# Altium PCB UD3.1-Zogger-Laptop.PcbDoc (part 1 of 2) (continued)
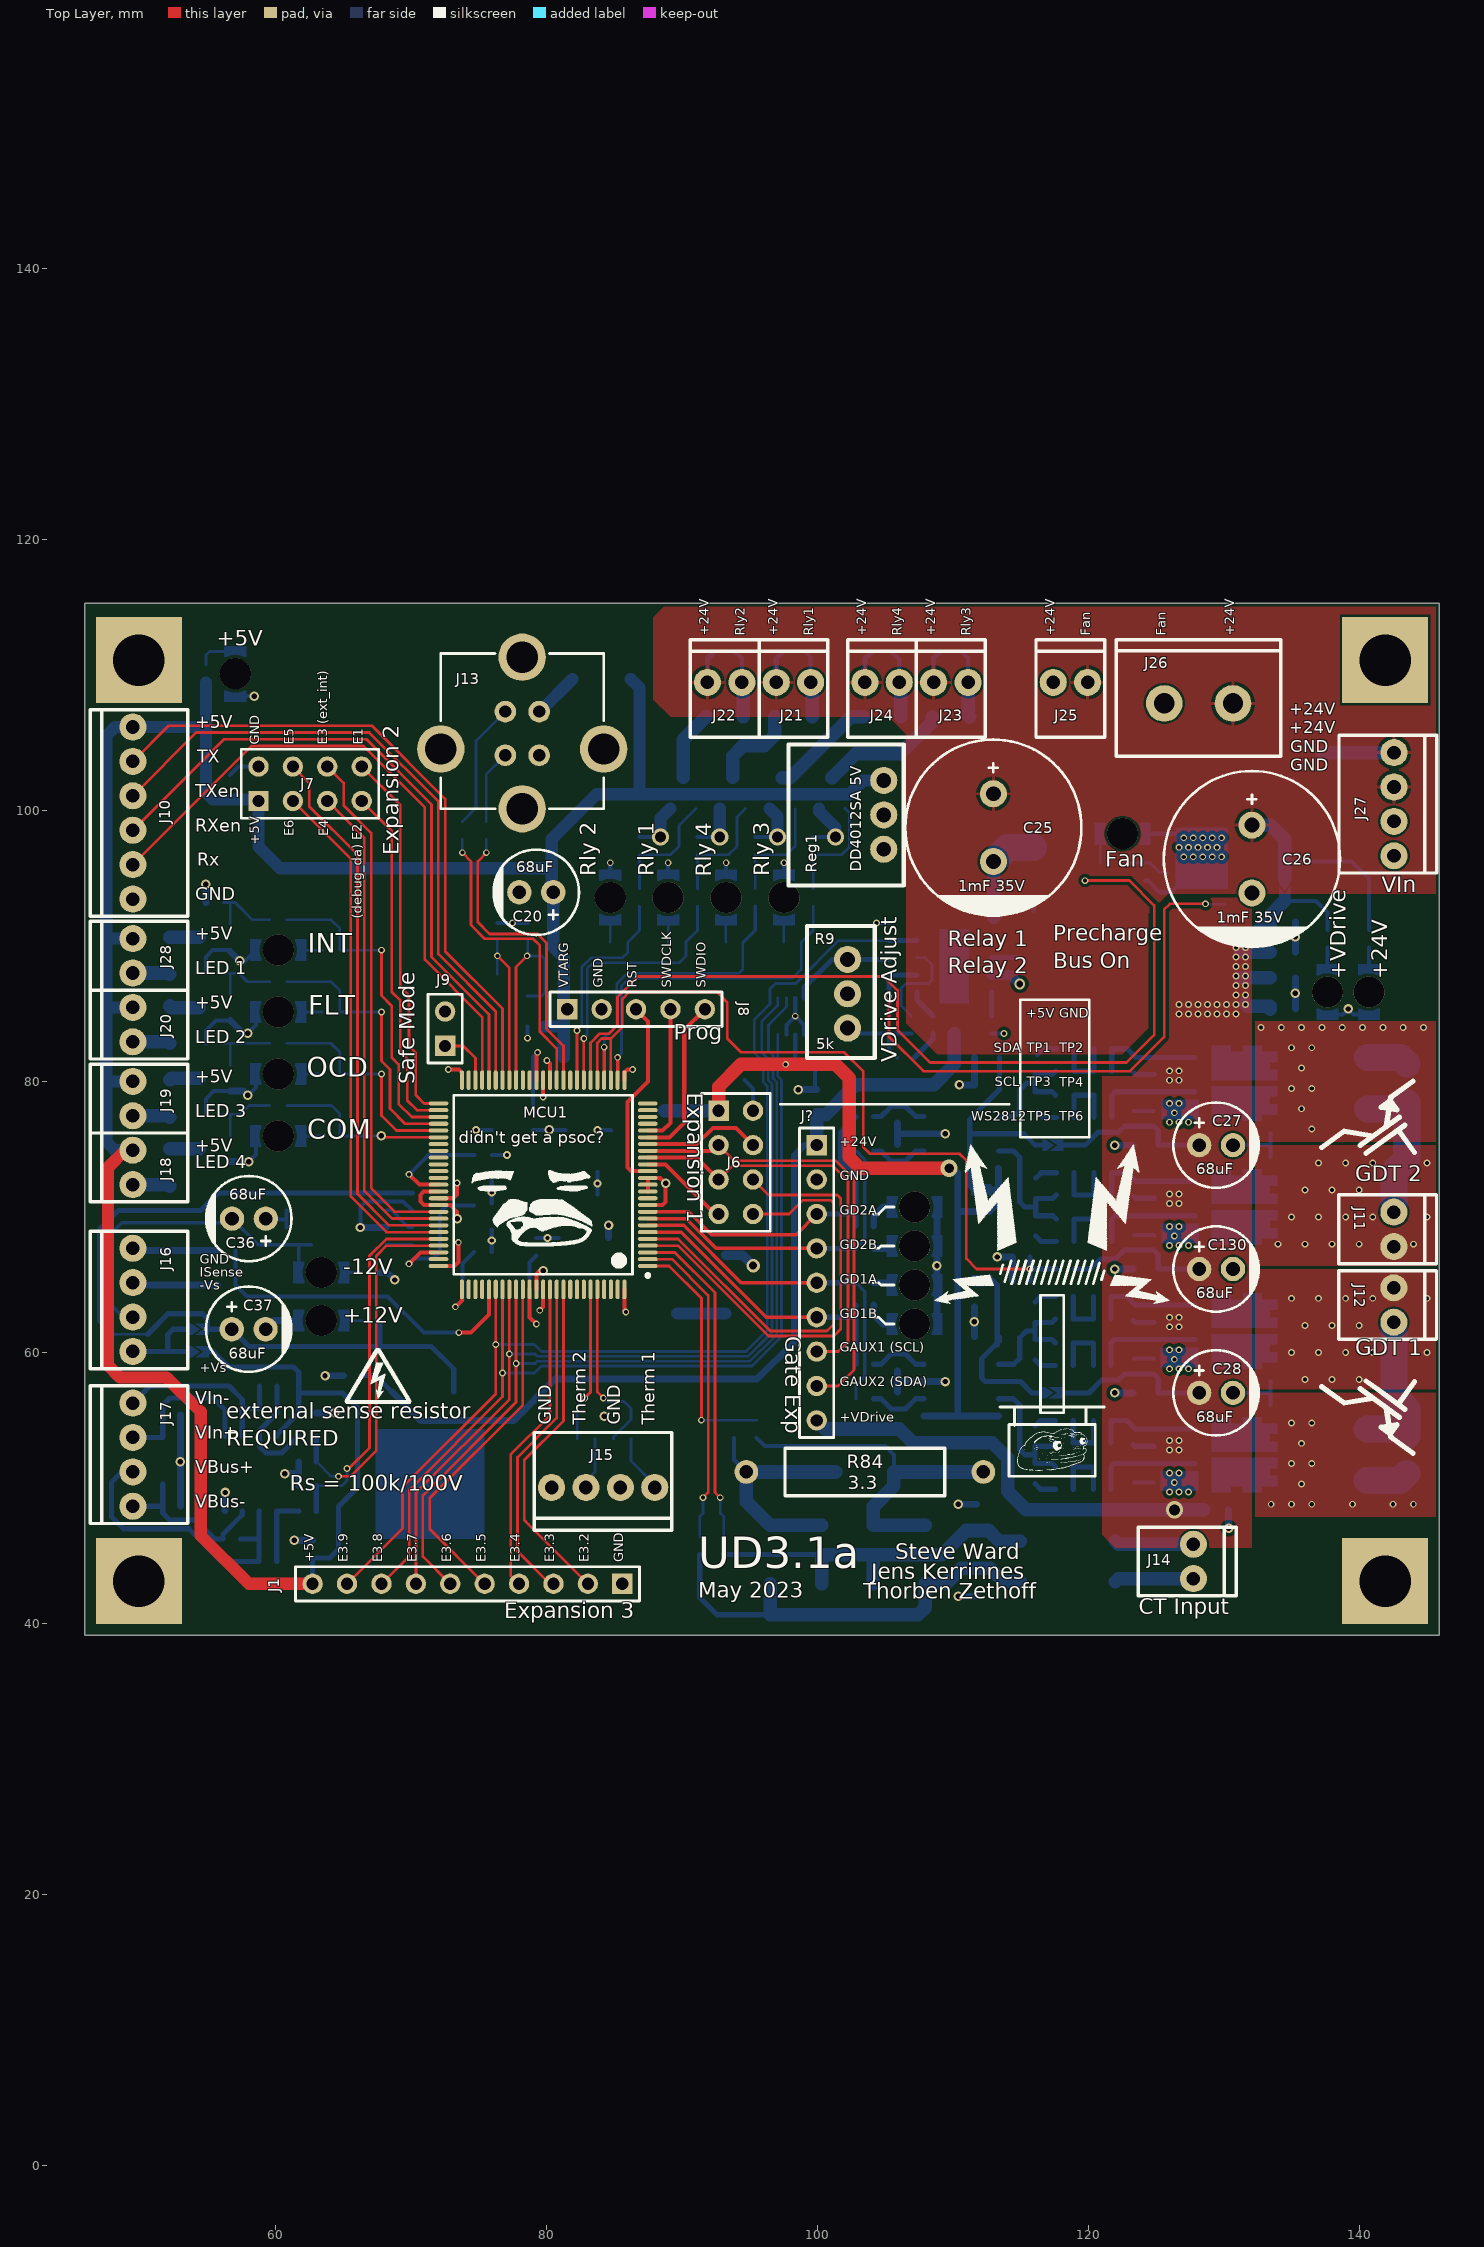
[diagram p0: Top Layer view]
## Components (designator, comment, footprint, x,y, rotation, side; value= is the part's Value field where it differs from the comment) (continued)
R125 "1k" 0603 86.868,93.599 r90 bottom
R126 "10k" 0603 55.506,77.597 r0 bottom
R127 "1k" 0603 60.198,78.232 r180 bottom
R128 "8.2k" 0603 64.093,75.994 r180 bottom
R129 "22 0.5W" 1206 98.235,106.934 r0 bottom
R130 "22 0.5W" 1206 93.155,106.934 r0 bottom
R131 "8.2k" 0603 103.505,67.691 r0 bottom
R132 "8.2k" 0603 103.505,69.342 r0 bottom
R133 "1k" 0603 123.365,69.342 r90 bottom
R134 "1k" 0603 123.365,78.486 r90 bottom
R135 "10k" 0603 121.079,68.199 r0 bottom
R136 "10" 0603 118.285,68.199 r0 bottom
R137 "10k" 0603 105.918,77.594 r90 bottom
R138 "10k" 0603 105.918,74.704 r270 bottom
R139 "10" 0603 118.285,77.343 r0 bottom
R140 "10k" 0603 121.079,78.994 r0 bottom
R141 "100" 0603 118.285,78.994 r0 bottom
R142 "100" 0603 118.285,69.85 r0 bottom
R143 "1k" 0603 103.505,77.419 r0 bottom
R144 "1k" 0603 103.505,74.879 r0 bottom
R145 "15" 1210 143.51,79.883 r270 bottom
R146 "100" 0603 118.285,80.772 r0 bottom
R147 "100" 0603 118.285,71.628 r0 bottom
R148 "10" 0603 118.285,82.423 r0 bottom
R149 "10k" 0603 121.079,80.772 r0 bottom
R150 "10k" 0603 121.079,73.279 r0 bottom
R151 "10" 0603 118.285,73.279 r0 bottom
R152 "1k" 0603 123.365,72.151 r270 bottom
R153 "1k" 0603 123.365,81.28 r270 bottom
R154 "1k" 0603 115.047,67.056 r180 bottom
R155 "10k" 0603 118.285,66.167 r180 bottom
R156 "8.2k" 0603 103.505,63.5 r0 bottom
R157 "8.2k" 0603 103.505,65.151 r0 bottom
R158 "1k" 0603 123.317,60.183 r90 bottom
R159 "1k" 0603 123.317,51.054 r90 bottom
R160 "10k" 0603 121.031,59.055 r0 bottom
R161 "10" 0603 118.237,59.055 r0 bottom
R162 "10k" 0603 105.918,59.309 r90 bottom
R163 "10k" 0603 105.918,56.487 r270 bottom
R164 "10" 0603 118.237,49.911 r0 bottom
R165 "10k" 0603 121.031,51.562 r0 bottom
R166 "100" 0603 118.237,51.562 r0 bottom
R167 "100" 0603 118.237,60.706 r0 bottom
R168 "1k" 0603 103.505,59.131 r0 bottom
R169 "1k" 0603 103.505,56.591 r0 bottom
R170 "15" 1210 143.51,52.451 r90 bottom
R171 "100" 0603 118.237,53.34 r0 bottom
R172 "100" 0603 118.237,62.484 r0 bottom
R173 "10" 0603 118.237,54.991 r0 bottom
R174 "10k" 0603 121.031,54.991 r0 bottom
R175 "10k" 0603 121.031,62.484 r0 bottom
R176 "10" 0603 118.237,64.135 r0 bottom
R177 "1k" 0603 123.317,63.007 r270 bottom
R178 "1k" 0603 123.317,53.863 r270 bottom
Reg1 "DD4012SA 5V" "TO220 Retrofit DC-DC" 104.902,99.695 r90 top locked
Reg2 "AOZ1284" "SOIC8 EXPOSED" 110.11,88.519 r180 bottom
Reg3 "LM7812" "TO252 DPAk" 70.866,52.959 r270 bottom
U1 "TC7660S" SOIC8 65.405,69.867 r180 bottom
X1 "16MHz" "ECS-3225MV Oscillator" 77.47,87.122 r180 bottom

## Footprints (in the part's own frame and the unit in brackets; to place one, negate y for a bottom-side part, rotate by r counter-clockwise, add the part's x,y. Pads: shape width x height; smd on the part's side, far side on the other; paste and mask are expansions set on the pad)
"2 KK254 / KF2510" [mm]
  round 2 hole 1: 1(0,0) 2(2.54,0)
  silkscreen extent -1.27,-4.06 3.81,3.15, body extent -1.27,-3.28 3.81,2.52, height 11.29
"2 screw terminal vertical" [mm]
  round 2.7 hole 1.5: 1(-2.54,0) 2(2.54,0)
  silkscreen extent -6.08,-3.9 6.08,4.7, body extent -6.08,-3.89 6.08,4.68, height 12.1
"4 KK254 / KF2510" [mm]
  round 2 hole 1: 1(-3.81,0) 2(-1.27,0) 3(1.27,0) 4(3.81,0)
  silkscreen extent -5.08,-4.06 5.08,3.15, body extent -5.08,-3.3 5.08,2.5, height 11.44
"6 KK254 / KF2510" [mm]
  round 2 hole 1: 1(-6.35,0) 2(-3.81,0) 3(-1.27,0) 4(1.27,0) 5(3.81,0) 6(6.35,0)
  silkscreen extent -7.62,-4.06 7.62,3.15, body extent -7.62,-3.17 7.62,2.62, height 11.31
"0411 THT 2W" [mm]
  round 1.75 hole 1: 1(0,8.75) 2(0,-8.75)
  silkscreen extent -1.74,-5.89 1.75,5.89, body extent -1.74,-9.1 1.75,9.1, height 3.74
0603 [mm] "Chip Resistor, 2-Leads, Body 1.55x0.85mm, IPC Medium Density"
  rect 0.7x0.95 smd: 1(-0.65,0) 2(0.65,0)
  silkscreen extent -0.2,-0.48 0.2,0.48, body extent -0.8,-0.48 0.8,0.48, height 0.55
0805 [mm] "Chip Resistor, 2-Leads, Body 2.00x1.25mm, IPC Medium Density"
  rect 0.95x1.4 smd: 1(-0.925,0) 2(0.925,0)
  silkscreen extent -0.05,-0.6 0.05,0.6, body extent -1.05,-0.7 1.05,0.7, height 0.55
1206 [mm] "Chip Resistor, 2-Leads, Body 3.15x1.60mm, IPC Medium Density"
  rect 1.25x1.75 smd: 1(-1.375,0) 2(1.375,0)
  silkscreen extent -0.35,-0.77 0.35,0.77, body extent -1.65,-0.87 1.65,0.87, height 0.65
"1206 Reverse Mount" [mm] "SMD Mono-color Reverse mount LED, body 3.2x1.2mm"
  rect 0.4x1.6 smd paste-403.566 mask-403.566: 1(-1.65,0) 2(1.65,0)
  round 2.3 hole 2.3 unplated: MH1(0,0)
  Top Layer region: -2.05,-0.8 -2.05,0.8 -1.25,0.8 -1.25,0.631 -1.4,0 -1.25,-0.631 -1.25,-0.631 -1.25,-0.8
  Top Layer region: 2.05,-0.8 2.05,0.8 1.25,0.8 1.25,0.631 1.4,0 1.25,-0.631 1.25,-0.631 1.25,-0.8
  body extent -1.6,-0.8 1.6,0.8, height 0.4
1210 [mm] "Chip Resistor, 2-Leads, Body 3.20x2.50mm, IPC Medium Density"
  rect 1.25x2.75 smd: 1(-1.425,0) 2(1.425,0)
  silkscreen extent -0.4,-1.27 0.4,1.28, body extent -1.7,-1.38 1.7,1.38, height 1.8
DO-214 [mm] "Molded Diode, 2-Leads, Body 4.38x2.73mm, IPC Medium Density"
  rect 2.45x1.75 smd: 1(-2.15,0) 2(2.15,0)
  silkscreen extent -3.17,-1.5 2.4,1.5, body extent -2.6,-1.48 2.6,1.48, height 2.2
"ECS-3225MV Oscillator" [mm] "SON, 4-Leads, Body 2,50x3,20mm, Pitch 1,60mm, Thermal Pad 0,00x0,00mm, IPC Low Density"
  rect 1.4x1.2 smd: 1(-1.1,0.8) 2(-1.1,-0.8) 3(1.1,-0.8) 4(1.1,0.8)
  silkscreen extent -2.06,1.56 -1.96,1.66, body extent -1.65,-1.3 1.65,1.3, height 1.2
"Elko 6,3 x 11 x 2,5" [mm]
  round 1.8 hole 1: 1(-1.25,0) 2(1.25,0)
  silkscreen extent -3.15,-3.15 3.15,3.15, body extent -3.15,-3.13 3.14,3.16, height 11.02
"Elko 13 x 25 x 5" [mm]
  round 2 hole 1.1: 1(-2.5,0) 2(2.5,0)
  silkscreen extent -6.5,-6.5 6.5,6.5, body extent -6.5,-6.5 6.49,6.5, height 24.89
HDR1X2 [mm] "Connector; Header; 2 Position"
  rect 1.5x1.5 hole 0.9: 1(0,0)
  round 1.5 hole 0.9: 2(2.54,0)
  silkscreen extent -1.27,-1.27 3.81,1.27
HDR1X5 [mm] "Connector; Header; 5 Position"
  rect 1.5x1.5 hole 0.9: 1(0,0)
  round 1.5 hole 0.9: 2(2.54,0) 3(5.08,0) 4(7.62,0) 5(10.16,0)
  silkscreen extent -1.27,-1.27 11.43,1.27
HDR1X9 [mm] "Connector; Header; 9 Position"
  rect 1.5x1.5 hole 0.9: 1(0,0)
  round 1.5 hole 0.9: 2(2.54,0) 3(5.08,0) 4(7.62,0) 5(10.16,0) 6(12.7,0) 7(15.24,0) 8(17.78,0) 9(20.32,0)
  silkscreen extent -1.27,-1.27 21.59,1.27
HDR1X10 [mm] "Connector; Header; 10 Position"
  rect 1.5x1.5 hole 0.9: 1(0,0)
  round 1.5 hole 0.9: 2(2.54,0) 3(5.08,0) 4(7.62,0) 5(10.16,0) 6(12.7,0) 7(15.24,0) 8(17.78,0) 9(20.32,0) 10(22.86,0)
  silkscreen extent -1.27,-1.27 24.13,1.27
HDR2X4 [mm] "Connector; Header; 4x2 Position"
  rect 1.5x1.5 hole 0.9: 1(0,0)
  round 1.5 hole 0.9: 2(0,2.54) 3(2.54,0) 4(2.54,2.54) 5(5.08,0) 6(5.08,2.54) 7(7.62,0) 8(7.62,2.54)
  silkscreen extent -1.27,-1.27 8.89,3.81
"Inductor 11x11mm" [mm] "11x11mm power inductor, compatible with different manufacturer packages"
  rrect50% 4.3x4.8 smd: 1(-4.7,0) 2(4.7,0)
  silkscreen extent -5.85,-5.5 5.85,5.5, body extent -5.45,-5 5.45,5, height 5.4
"PCB Jumper NO" [mil] "Normally open pcb jumper"
  round 1 smd mask+0: 1(23,0) 2(-24,0)
  Top Layer region: -27.75,-16 -27.75,16 12,16 -12,0 10,-16
  Top Layer region: 21,-16 -1,0 23,16 31,16 31,-16
"SO-8FL - Dual" [mm]
  oval 0.6x1.5 smd: 1(-1.905,-2.715) 2(-0.635,-2.715) 3(0.635,-2.715) 4(1.905,-2.715)
  round 0.025 smd paste-0.4: 5/6(0.635,2.523) 7/8(-0.635,2.523)
  Top Layer region: -2.775,-1.465 -2.775,-0.065 -2.31,-0.065 -2.31,0.835 -2.775,0.83 -2.775,2.235 -2.31,2.235 -2.31,3.375 -1.56,3.375 -1.56,2.815 -0.98,2.815 -0.98,3.375 -0.23,3.375 -0.23,-1.465
  Top Layer region: 2.775,-1.465 2.775,-0.065 2.31,-0.065 2.31,0.835 2.775,0.83 2.775,2.235 2.31,2.235 2.31,3.375 1.56,3.375 1.56,2.815 0.98,2.815 0.98,3.375 0.23,3.375 0.23,-1.465
  silkscreen extent -2.51,-3.48 2.51,3.4, body extent -2.58,-3.07 2.57,3.08, height 1.1
SOD523 [mm] "SODFL, 2-Leads, Body 0.80x1.60mm, IPC Medium Density"
  rect 0.6x0.5 smd: 1(-0.75,0) 2(0.75,0)
  silkscreen extent -1,0.5 -0.9,0.6, body extent -0.8,-0.43 0.8,0.43, height 0.7
soic8 [mm] "SOIC, 8-Leads, Body 4.90x3.90mm, Pitch 1.27mm, IPC Medium Density"
  oval 1.5x0.6 smd: 1(-2.75,1.905) 2(-2.75,0.635) 3(-2.75,-0.635) 4(-2.75,-1.905) 5(2.75,-1.905) 6(2.75,-0.635) 7(2.75,0.635) 8(2.75,1.905)
  silkscreen extent -2.87,-2.5 1.6,2.88, body extent -3,-2.5 3,2.5, height 1.75
SOIC8 [mm] "SOIC, 8-Leads, Body 4.90x3.90mm, Pitch 1.27mm, IPC Medium Density"
  oval 1.5x0.6 smd: 1(-2.75,1.905) 2(-2.75,0.635) 3(-2.75,-0.635) 4(-2.75,-1.905) 5(2.75,-1.905) 6(2.75,-0.635) 7(2.75,0.635) 8(2.75,1.905)
  silkscreen extent -2.87,-2.5 1.6,2.88, body extent -3,-2.5 3,2.5, height 1.75
"SOIC8 EXPOSED" [mm] "SOIC, 8-Leads, Body 4.90x3.90mm, Pitch 1.27mm, IPC Medium Density"
  oval 1.5x0.6 smd: 1(-2.75,1.905) 2(-2.75,0.635) 3(-2.75,-0.635) 4(-2.75,-1.905) 5(2.75,-1.905) 6(2.75,-0.635) 7(2.75,0.635) 8(2.75,1.905)
  rect 2.71x3.7 smd paste-0.5: EP(0,0)
  silkscreen extent -2.88,-2.5 1.6,2.88, body extent -3,-2.5 3,2.5, height 1.75
"SON127P600 4 POS (8.50mm x 5.60mm)" [mm] "SON, 4-Leads, Body 5.60x8.50mm, Pitch 3.00mm, IPC High Density, Würth Choke"
  rect 4x2 smd: 1(-3.5,1.5) 2(-3.5,-1.5) 3(3.5,-1.5) 4(3.5,1.5)
  silkscreen extent -5.05,-3.15 4.6,3.2, body extent -4.45,-3 4.45,3, height 3.2
"sot 23" [mm] "SOT23, 3-Leads, Body 2.90x2.30mm, Pitch 0.95mm, IPC Medium Density"
  rect 0.9x0.6 smd: 1(-1.15,0.95) 2(-1.15,-0.95) 3(1.15,0)
  silkscreen extent -1.28,-1.5 0.7,1.92, body extent -1.3,-1.5 1.3,1.5, height 1.1
"Sot 23-8" [mm] "TSOP, 8-Leads, Body 2.90x1.60mm, Pitch 0.65mm, IPC Medium Density"
  oval 1.22x0.4 smd: 1(-1.35,0.975) 2(-1.35,0.325) 3(-1.35,-0.325) 4(-1.35,-0.975) 5(1.35,-0.975) 6(1.35,-0.325) 7(1.35,0.325) 8(1.35,0.975)
  silkscreen extent -1.47,-1.5 0.45,1.85, body extent -1.4,-1.5 1.4,1.5, height 1.45
"TO220 Retrofit DC-DC" [mm]
  round 2 hole 1.1: 1(-2.54,0) 2(0,0) 3(2.54,0)
  silkscreen extent -5.2,-1.47 5.2,7.02, body extent -5.2,-0.38 5.2,7.02, height 19
"TO252 DPAk" [mm] "D-PAK, 3-Pads, Body 6.21x6.72mm (max), IPC Medium Density"
  rect 2.95x1.2 smd: 1(-4.15,2.29) 3(-4.15,-2.29)
  rect 6.7x5.65 smd: 2(2.3,0)
  silkscreen extent -4.27,-3.35 -1.45,3.56, body extent -4.34,-3.35 5.6,3.35, height 2.4
"TQFP 100" [mm] "TSQFP, 100-Leads, Body 14.00x14.00mm, Pitch 0.50mm, IPC Medium Density"
  oval 1.45x0.3 smd: 1(-7.725,6) 2(-7.725,5.5) 3(-7.725,5) 4(-7.725,4.5) 5(-7.725,4) 6(-7.725,3.5) 7(-7.725,3) 8(-7.725,2.5) 9(-7.725,2) 10(-7.725,1.5) 11(-7.725,1) 12(-7.725,0.5) 13(-7.725,0) 14(-7.725,-0.5) 15(-7.725,-1) 16(-7.725,-1.5) 17(-7.725,-2) 18(-7.725,-2.5) 19(-7.725,-3) 20(-7.725,-3.5) 21(-7.725,-4) 22(-7.725,-4.5) 23(-7.725,-5) 24(-7.725,-5.5) 25(-7.725,-6) 51(7.725,-6) 52(7.725,-5.5) 53(7.725,-5) 54(7.725,-4.5) 55(7.725,-4) 56(7.725,-3.5) 57(7.725,-3) 58(7.725,-2.5) 59(7.725,-2) 60(7.725,-1.5) 61(7.725,-1) 62(7.725,-0.5) 63(7.725,0) 64(7.725,0.5) 65(7.725,1) 66(7.725,1.5) 67(7.725,2) 68(7.725,2.5) 69(7.725,3) 70(7.725,3.5) 71(7.725,4) 72(7.725,4.5) 73(7.725,5) 74(7.725,5.5) 75(7.725,6)
  oval 0.3x1.45 smd: 26(-6,-7.725) 27(-5.5,-7.725) 28(-5,-7.725) 29(-4.5,-7.725) 30(-4,-7.725) 31(-3.5,-7.725) 32(-3,-7.725) 33(-2.5,-7.725) 34(-2,-7.725) 35(-1.5,-7.725) 36(-1,-7.725) 37(-0.5,-7.725) 38(0,-7.725) 39(0.5,-7.725) 40(1,-7.725) 41(1.5,-7.725) 42(2,-7.725) 43(2.5,-7.725) 44(3,-7.725) 45(3.5,-7.725) 46(4,-7.725) 47(4.5,-7.725) 48(5,-7.725) 49(5.5,-7.725) 50(6,-7.725) 76(6,7.725) 77(5.5,7.725) 78(5,7.725) 79(4.5,7.725) 80(4,7.725) 81(3.5,7.725) 82(3,7.725) 83(2.5,7.725) 84(2,7.725) 85(1.5,7.725) 86(1,7.725) 87(0.5,7.725) 88(0,7.725) 89(-0.5,7.725) 90(-1,7.725) 91(-1.5,7.725) 92(-2,7.725) 93(-2.5,7.725) 94(-3,7.725) 95(-3.5,7.725) 96(-4,7.725) 97(-4.5,7.725) 98(-5,7.725) 99(-5.5,7.725) 100(-6,7.725)
  silkscreen extent -7.85,-6.6 6.6,6.82, body extent -8,-8 8,8, height 1.6
"Trimmer vert" [mm]
  round 2 hole 1.1: 1(-2.54,0) 2(2.54,0) 3(0,0)
  silkscreen extent -5,-3 4.75,2, body extent -4.86,-3 4.74,2, height 11.6
"USB 2.0 Type B Vertical" [mm]
  round 1.6 hole 0.9: 1(1.25,3.22) 2(-1.25,3.22) 3(-1.25,0) 4(1.25,0)
  round 3.5 hole 2.3: 5(-6.015,0.46) 5(0,-3.95) 5(0,7.24) 5(6.015,0.46)
  silkscreen extent -6.01,-3.95 6.01,7.51, body extent -7.57,-4.08 7.57,7.38, height 15.74

## Part data
C1 C2 C3 C4 C5 C6 C7 C8 C9 C10 C11 C12 C13 C14 C15 C16 C17 C18 C19 C21 C22 C23 C24 C31 C32 C33 C34 C35 C38 C39 C40 C78 C79 C80 C81 C82 C83 C84 C85 C86 C87 C88 C89 C90 C91 C92 C93 C94 C95 C96 C97 C98 C99 C100 C102 C107 C110 C111 C112 C113 C114 C115 C116 C118 C123 C126 C127 C128 C129: library part Cap
C20 C25 C26 C27 C28 C36 C37 C130: library part "Cap Polar", Supplier Part Number 1=478-9181-1-ND, Supplier 1=Digi-Key, Supplier 2=Digi-Key, Supplier 3=Digi-Key, Supplier 4=Digi-Key, Supplier 5=Digi-Key, Supplier 6=Digi-Key, Supplier 7=Digi-Key, Supplier 8=Digi-Key, Supplier Part Number 2=478-9173-1-ND, Supplier Part Number 3=493-11037-ND, Supplier Part Number 4=PCE3462CT-ND, Supplier Part Number 5=399-18864-1-ND, Supplier Part Number 6=399-10512-1-ND, Supplier Part Number 7=399-15746-ND, Supplier Part Number 8=1189-3752-1-ND
C101 C103 C104 C105 C108 C109 C117 C119 C120 C121 C124 C125: library part Cap, Supplier Part Number 1=1276-2044-1-ND, Supplier Part Number 10=1276-CL10B104KB8NNNLCT-ND, Supplier Part Number 11=399-1085-1-ND, Supplier Part Number 12=1276-1021-1-ND, Supplier Part Number 13=587-2985-1-ND, Supplier Part Number 14=490-14603-1-ND, Supplier Part Number 15=311-3700-1-ND, Supplier Part Number 16=311-1042-1-ND, Supplier Part Number 17=311-1415-1-ND, Supplier Part Number 18=1276-1907-1-ND, Supplier Part Number 19=587-4321-1-ND, Supplier 1=Digi-Key, Supplier 2=Digi-Key, Supplier 3=Digi-Key, Supplier 4=Digi-Key, Supplier 5=Digi-Key, Supplier 6=Digi-Key, Supplier 7=Digi-Key, Supplier 8=Digi-Key, Supplier 9=Digi-Key, Supplier 10=Digi-Key, Supplier 11=Digi-Key, Supplier 12=Digi-Key, Supplier 13=Digi-Key, Supplier 14=Digi-Key, Supplier 15=Digi-Key, Supplier 16=Digi-Key, Supplier 17=Digi-Key, Supplier 18=Digi-Key, Supplier 19=Digi-Key, Supplier 20=Digi-Key, Supplier 21=Digi-Key, Supplier 22=Digi-Key, Supplier Part Number 2=1276-1018-1-ND, Supplier Part Number 3=1276-1182-1-ND, Supplier Part Number 4=1276-1009-1-ND, Supplier Part Number 5=1276-1098-1-ND, Supplier Part Number 6=1276-1119-1-ND, Supplier Part Number 7=490-12737-1-ND, Supplier Part Number 8=1276-1183-1-ND, Supplier Part Number 9=587-1249-1-ND, Supplier Part Number 20=1276-6767-1-ND, Supplier Part Number 21=1276-7060-1-ND, Supplier Part Number 22=311-1084-1-ND
D1 D2 D3 D4 D5 D43 D44 D45 D46 D47 D48 D49 D50 D51 D52 D53 D62 D63: library part LED, "Diode, but it lights up", Supplier Part Number 1=732-4979-1-ND, Supplier 1=Digi-Key, Supplier 2=Digi-Key, Supplier 3=Digi-Key, Supplier 4=Digi-Key, Supplier Part Number 2=732-4971-1-ND, Supplier Part Number 3=732-4966-1-ND, Supplier Part Number 4=732-4981-1-ND
D6 D36: library part "TVS Diode", Supplier Part Number 1=UCLAMP3301HCT-ND, Supplier 1=Digi-Key
D7: library part "Diode Schottky", Supplier Part Number 1=FSV12100VCT-ND, Supplier 1=Digi-Key
D32 D33 D34 D35 D37 D38 D39 D40 D41 D42 D56 D57 D58 D59 D66 D67 D68 D69: library part Diode, "Cmon its a diode what more do I need to say?", Supplier Part Number 1=MBR10100GOS-ND, Supplier 1=Digi-Key, Supplier 2=Digi-Key, Supplier Part Number 2=1655-1504-1-ND
D54 D55 D60 D61 D64 D65 D70 D71: library part "Diode Zener", Supplier Part Number 1=UCLAMP3301HCT-ND, Supplier 1=Digi-Key
IC1: library part AD5160, "DigiPot 8bit"
IC6: library part "OpAmp dual", Supplier Part Number 1=296-27903-5-ND, Supplier 1=Digi-Key
IC7 IC8: "Dual gate driver"
J1: library part "Header 10", "Header, 10-Pin", LatestRevisionDate=17-Jul-2002, LatestRevisionNote="Re-released for DXP Platform.", Publisher="Altium Limited"
J6 J7: library part "Header 4X2", "Header, 4-Pin, Dual row", LatestRevisionDate=17-Jul-2002, LatestRevisionNote="Re-released for DXP Platform.", Publisher="Altium Limited"
J8: library part "Header 5", "Header, 5-Pin", LatestRevisionDate=17-Jul-2002, LatestRevisionNote="Re-released for DXP Platform.", Publisher="Altium Limited"
J9: library part "Header 2", "Header, 2-Pin", LatestRevisionDate=17-Jul-2002, LatestRevisionNote="Re-released for DXP Platform.", Publisher="Altium Limited"
J10: library part "6 header"
J11 J12 J14 J18 J19 J20 J21 J22 J23 J24 J25 J28: library part "2 header"
J13: library part "USB 2.0 Type B"
J15 J16 J17 J27: library part "4 header"
J26: library part "2 screw terminal"
J?: library part "Header 9", "Header, 9-Pin", LatestRevisionDate=17-Jul-2002, LatestRevisionNote="Re-released for DXP Platform.", Publisher="Altium Limited"
Jp1 Jp10 Jp11 Jp12 Jp13 Jp14 Jp15: library part Jumper
L1: library part "Inductor High Power", Supplier Part Number 1=541-1253-1-ND, Supplier 1=Digi-Key, Supplier 2=Digi-Key, Supplier 3=Digi-Key, Supplier Part Number 2=SRP1265A-1R0MCT-ND, Supplier Part Number 3=732-4237-1-ND
L2: Supplier Part Number 1=732-2358-1-ND, Supplier 1=Digi-Key
MCU1: library part CY8C5466AXI-064
Q5 Q6 Q7 Q8 Q9 Q10 Q11 Q12 Q13: library part "Mosfet N", Supplier Part Number 1=1727-5305-1-ND, Supplier 1=Digi-Key, Supplier 2=Digi-Key, Supplier 3=Digi-Key, Supplier 4=Digi-Key, Supplier 5=Digi-Key, Supplier 6=Digi-Key, Supplier 7=Digi-Key, Supplier Part Number 2=1727-1123-1-ND, Supplier Part Number 3=BSC0906NSATMA1CT-ND, Supplier Part Number 4=T2N7002AKLMCT-ND, Supplier Part Number 5=1727-4714-1-ND, Supplier Part Number 6=497-14572-5-ND, Supplier Part Number 7=IPP180N10N3GXKSA1-ND
Q14 Q15 Q16 Q17: "Dual Mosfet, one N & P channel resp.", Supplier 1=Digi-Key
R3 R4 R5 R7 R8 R10 R11 R12 R13 R14 R47 R48 R82 R83 R84 R85 R86 R87 R88 R89 R90 R91 R92 R93 R94 R95 R96 R97 R98 R99 R100 R101 R102 R103 R104 R105 R106 R107 R108 R109 R110 R111 R112 R113 R114 R115 R116 R117 R118 R119 R120 R121 R122 R123 R124 R125 R126 R127 R128 R129 R130 R131 R132 R133 R134 R135 R136 R137 R138 R139 R140 R141 R142 R143 R144 R145 R146 R147 R148 R149 R150 R151 R152 R153 R154 R155 R156 R157 R158 R159 R160 R161 R162 R163 R164 R165 R166 R167 R168 R169 R170 R171 R172 R173 R174 R175 R176 R177 R178: library part Resistor
R9: library part Trimmer
Reg1 Reg3: library part lm78xx, "positive voltage regulator"
Reg2: "Buck Regulator, Internal Switch 4A"
X1: library part "Quarz crystal", Supplier Part Number 1=SER4069TR-ND, Supplier 1=Digi-Key

## Free pads (board coordinates)
  rect 6.35x6.35 hole 3.797: 0(49.911,43.125) 0(49.911,111.125) 0(141.911,43.125) 0(141.911,111.125)
  rect 84x1.905 on Mech15: 1(95.949,40.522)
  rect 83.86x1.905 on Mech15: 1(95.949,113.293)

## Via types
v1: diameter 0.5, hole 0.3, Top Layer to Bottom Layer, 144 vias
v2: diameter 0.49, hole 0.3, Top Layer to Bottom Layer, 50 vias
v3: diameter 0.7, hole 0.4, Top Layer to Bottom Layer, 37 vias
v4: diameter 0.6, hole 0.3, Top Layer to Bottom Layer, 7 vias
v5: diameter 1.27, hole 0.8, Top Layer to Bottom Layer, 5 vias
v6: diameter 1, hole 0.6, Top Layer to Bottom Layer, 1 vias
v7: diameter 0.8, hole 0.5, Top Layer to Bottom Layer, 1 vias
v8: diameter 1.27, hole 0.7, Top Layer to Bottom Layer, 1 vias

## Nets (pads, with @x,y where several pads share a name; then routed paths per layer and width w, separated by ;. In a path a pad name is that pad's centre, name@x,y a point inside that pad or via, vN(x,y) a via of type N, cw(c..) or ccw(c..) an arc to the next point about the centre after c; other vN are vias at no path point)
+5V: C1.2 C2.1 C4.2 C8.2 C9.2 C10.1 C12.2 C14.2 C15.2 C17.2 C19.2 C20.1 C23.2 C90.2 C91.2 C98.1 D6.1 D37.1 IC1.2 IC6.8 IC7.1 IC7.8 IC8.1 IC8.8 J1.10 J6.1 J7.1 J8.1 J10.6 J18.2 J19.2 J20.2 J28.2 Jp10.2 Jp13.2 Jp15.2 MCU1.26 MCU1.37 MCU1.50 MCU1.65 MCU1.75 MCU1.88 MCU1.100 R8.1 Reg1.3 | length 298.5
  Top Layer w0.3: MCU1.75@72.031,66.39 73.202,66.39 73.496,66.684 v2(73.496,68.137) ; MCU1.65@72.031,71.39 73.114,71.39 73.406,71.682 v2(73.406,72.517) ; v2(72.756,80.899) 73.533,80.899 73.756,80.676 MCU1.50@73.756,80.115 ; v2(79.502,63.119) 79.756,63.373 MCU1.88@79.756,64.665 ; v2(80.025,81.565) 80.256,81.334 MCU1.37@80.256,80.115 ; MCU1.100@85.756,64.665 85.756,63.092 v2(85.856,62.992) ; MCU1.26@85.756,80.115 85.756,80.676 85.979,80.899 v2(86.36,80.899)
  Top Layer w0.9: J18.2@49.467,74.939 48.904,74.939 47.625,73.66 47.625,59.055 48.514,58.166 51.943,58.166 54.483,55.626 54.483,46.482 58.039,42.926 J1.10@62.738,42.926
  Top Layer w1: J6.1@92.71,77.851 92.71,79.629 94.361,81.28 v2(97.663,81.28) 101.346,81.28 102.362,80.264 102.362,74.422 103.175,73.609 v8(109.728,73.609)
  Bottom Layer w0.3: J6.1@92.71,77.851 92.71,79.495 C9.2@93.33,80.115 ; v2(97.663,81.28) C10.1@98.537,81.28 ; C10.1@98.369,81.448 IC1.2@98.369,83.486
  Bottom Layer w0.381: Jp10.2@54.981,60.071 55.372,60.071 56.515,58.928 61.323,58.928 61.707,58.544 61.707,57.023 ; IC6.8@60.083,53.813 60.083,53.917 C12.2@61.707,55.541 61.707,57.023 ; J1.10@62.738,42.926 C8.2@62.738,44.831 64.008,44.831 64.643,45.466 64.643,48.641 66.04,50.038 66.04,55.925 64.942,57.023 61.707,57.023 ; C10.1@98.369,81.448 C10.1@98.537,81.28
  Bottom Layer w0.5: IC8.1@107.867,55.321 110.363,55.321 ; IC7.1@107.867,73.609 v8(109.728,73.609) ; 110.363,73.279 110.363,70.417 ; Jp15.2@111.531,65.304 110.363,65.304 ; Jp13.2@112.751,72.009 113.367,72.009 ; IC8.8@113.367,55.321 110.363,55.321 ; IC7.8@113.367,73.609 113.367,72.009 ; 110.363,55.321 110.363,65.304 ; 110.363,65.304 110.363,70.417 ; 110.363,70.417 112.725,70.417 113.367,71.059 113.367,72.009
  Bottom Layer w0.9: J18.2@49.467,74.939 48.124,74.939 47.498,75.565 47.498,80.124 ; J19.2@49.467,80.019 47.603,80.019 47.498,80.124 ; J20.2@49.467,85.48 47.523,85.48 47.498,85.455 ; J28.2@49.467,90.56 47.603,90.56 47.498,90.665 ; R8.1@54.864,109.459 54.864,106.181 ; J7.1@58.738,100.72 58.738,97.345 60.325,95.758 80.391,95.758 ; J7.1@58.801,100.838 55.372,100.838 54.864,101.346 54.864,106.181 ; C23.2@79.898,84.074 81.28,84.074 ; C20.1@80.391,94.361 80.391,95.758 ; C20.1@80.498,93.98 80.498,89.936 81.28,89.154 81.28,85.344 81.28,84.074 ; 81.28,81.788 81.28,84.074 ; D37.1@86.224,109.728 86.868,109.084 86.868,101.219 ; 89.653,62.874 D6.1@93.218,62.874 ; Reg1.3@104.902,102.235 103.378,102.235 102.362,101.219 86.868,101.219 ; 47.498,80.124 47.498,85.455 ; 47.498,85.455 47.498,90.665 ; 47.498,90.665 47.498,105.537 48.142,106.181 J10.6@49.467,106.181 54.864,106.181 ; 80.391,95.758 80.391,97.917 83.693,101.219 86.868,101.219
  Bottom Layer w1: 88.743,77.851 J6.1@92.71,77.851
+12V: C35.2 C36.1 C40.2 Jp11.2 R5.1 Reg3.3 U1.1 U1.8 | length 63.4
  Bottom Layer w0.2: 48.006,61.341 50.546,61.341
  Bottom Layer w0.381: 48.006,61.341 46.99,62.357 46.99,69.088 48.387,70.485 54.483,70.485 55.77,71.772 C40.2@60.818,71.772 U1.8@62.655,71.772 U1.1@68.155,71.772 C35.2@70.104,71.772 ; 50.546,61.341 52.07,62.865 54.61,62.865 54.981,62.494 Jp11.2@54.981,61.722 C36.1@56.261,61.722 ; C36.1@56.761,61.722 58.031,60.452 67.706,60.452 ; R5.1@67.706,62.357 67.706,60.452 ; Reg3.3@73.156,57.109 73.156,58.797 71.501,60.452 67.706,60.452
+24V: C6.2 C25.1 C26.1 C31.2 C32.2 C34.2 D38.1 D39.1 D40.1 D41.1 D42.1 J21.1 J22.1 J23.1 J24.1 J25.2 J26.2 J27.1 J27.2 J?.1 Jp1.1 R3.1 Reg1.1 Reg2.EP Reg3.1 | length 99.3
  Bottom Layer w0.3: 134.493,96.266 139.446,96.266 140.716,94.996 R3.1@140.716,91.201
  Bottom Layer w0.381: C34.2@66.309,58.293 67.392,58.293 Reg3.1@68.576,57.109 ; J22.1@91.885,109.474 91.885,111.24 D40.1@92.405,111.76 ; J21.1@96.965,109.474 96.965,111.24 D39.1@97.485,111.76 ; J24.1@103.505,109.474 103.505,111.24 D42.1@104.025,111.76 ; J23.1@108.585,109.474 108.585,111.29 109.055,111.76 D41.1@109.105,111.76
  Bottom Layer w0.5: Reg3.1@68.576,57.109 70.694,54.991 77.596,54.991 80.644,58.039 95.545,58.039 98.298,60.792 98.298,74.549 99.06,75.311 J?.1@99.949,75.311
  Bottom Layer w1: J?.1@99.949,75.311 C6.2@99.949,77.561 100.612,77.561 102.806,79.756 108.585,79.756 110.11,81.281 110.11,83.551 ; C26.1@132.08,98.933 133.477,98.933 134.493,97.917 134.493,96.266 134.493,94.996 ; D38.1@137.278,104.276 137.286,104.284 142.562,104.284 J27.1@142.57,104.292
+VDrive: C27.1 C28.1 C111.2 C112.2 C113.2 C114.2 C126.2 C127.2 C128.2 C129.2 C130.1 D60.1 D61.1 D70.1 D71.1 J?.9 Jp1.2 Jp12.2 Jp14.2 L1.2 Q14.3 Q15.3 Q16.3 Q17.3 R4.1 R14.2 R152.2 R153.2 R155.1 R177.2 R178.2 | length 91
  Bottom Layer w0.3: 130.048,90.805 R14.2@130.048,91.806 ; 134.493,93.345 136.806,93.345 137.668,92.483 R4.1@137.668,91.201
  Bottom Layer w0.381: Jp14.2@117.997,57.023 120.048,57.023 120.998,57.973 122.235,57.973 122.682,58.42 124.841,58.42 125.167,58.094 C127.2@125.167,57.023 C28.1@128.183,57.023 ; 117.997,75.311 119.771,75.311 120.721,76.261 122.235,76.261 122.682,76.708 124.841,76.708 125.167,76.382 125.167,75.311 C27.1@128.183,75.311 ; R155.1@118.935,66.167 120.142,66.167 120.892,66.917 122.035,66.917 122.682,67.564 124.841,67.564 125.167,67.238 C128.2@125.167,66.167 C130.1@128.183,66.167 ; R178.2@123.317,53.213 123.444,53.086 D70.1@124.841,53.086 ; R177.2@123.317,62.357 123.444,62.23 D71.1@124.841,62.23 ; R152.2@123.365,71.501 123.48,71.386 D61.1@124.889,71.386 ; R153.2@123.365,80.63 123.477,80.518 D60.1@124.889,80.518
  Bottom Layer w1: J?.9@99.949,54.991 100.584,54.356 106.045,54.356 107.061,53.34 112.903,53.34 114.046,52.197 114.046,49.743 115.402,48.387 v5(126.365,48.387) C111.2@128.508,48.387 ; 131.228,87.66 C113.2@133.441,87.66 ; 131.228,89.55 131.6,89.55 C126.2@133.441,89.55 ; v1@131.572,85.769 131.777,85.564 133.416,85.564 133.441,85.539 C112.2@133.441,85.364 ; 131.572,90.17 133.008,91.606 133.416,91.606 133.441,91.631 133.441,91.806 133.441,92.293 134.493,93.345
  other v1: 126,52.8 126.7,52.8 126,53.5 126.7,53.5 126,61.9 126.7,61.9 126,62.6 126.7,62.6 126,71 126.7,71 126,71.7 126.7,71.7 126,80.1 126.7,80.1 126,80.8 126.7,80.8 126.7,85 127.4,85 128.1,85 128.8,85 129.5,85 130.2,85 130.9,85 126.7,85.7 127.4,85.7 128.1,85.7 128.8,85.7 129.5,85.7 130.2,85.7 130.9,85.7 131.6,85.7 130.9,86.4 131.6,86.4 130.9,87.1 131.6,87.1 130.9,87.8 131.6,87.8 130.9,88.5 131.6,88.5 130.9,89.2 131.6,89.2 130.9,89.9 131.6,89.9 130.9,90.6
-12V: C37.2 C38.2 D4.2 J16.2 U1.5 | length 25.6
  Bottom Layer w0.25: J16.2@49.467,62.62 48.759,62.62 47.752,63.627 47.752,68.707 48.641,69.596 C37.2@57.006,69.596 ; C37.2@56.783,69.89 58.711,67.962 60.818,67.962 61.723,67.962 ; D4.2@61.723,65.913 61.723,67.962 ; U1.5@62.655,67.962 61.723,67.962
"Aux Gate 1": J6.5 J?.7 MCU1.17 | length 30.8
  Top Layer w0.2: J6.5@92.71,72.771 93.726,73.787 101.14,73.787 102.255,72.672 102.255,60.792 101.534,60.071 J?.7@99.949,60.071
  Top Layer w0.3: MCU1.17@87.481,74.39 91.091,74.39 J6.5@92.71,72.771
"Aux Gate 2": J6.3 J?.8 MCU1.18 | length 33.8
  Top Layer w0.2: J6.3@92.71,75.311 93.853,74.168 101.346,74.168 102.705,72.809 102.705,58.715 101.521,57.531 J?.8@99.949,57.531
  Top Layer w0.3: MCU1.18@87.481,74.89 92.289,74.89 J6.3@92.71,75.311
CTA: J14.1 L2.1 | length 5.9
  Bottom Layer w1: L2.1@121.991,46.077 122.221,45.847 J14.1@127.762,45.847
CTB: J14.2 L2.2 | length 5.9
  Bottom Layer w1: L2.2@121.991,43.077 122.221,43.307 J14.2@127.762,43.307
CTout: C83.1 MCU1.1 R85.1 | length 18
  Top Layer w0.2: MCU1.1@87.481,66.39 89.058,66.39 91.44,64.008 v2(91.44,55.006)
  Bottom Layer w0.2: v2(91.44,55.006) C83.1@93.853,55.006 R85.1@95.504,55.006
Default: J9.1 MCU1.48 | length 4.2
  Top Layer w0.2: J9.1@72.517,82.638 73.859,82.638 74.756,81.741 MCU1.48@74.756,80.115
"DigiPot Clk": IC1.4 J1.8 MCU1.82 | length 69.6
  Top Layer w0.2: J1.8@67.818,42.926 69.874,44.982 69.874,49.863 76.756,56.745 v2(76.756,58.492) MCU1.82@76.756,64.665
  Bottom Layer w0.2: v2(76.756,58.492) 79.107,58.492 79.628,59.014 95.18,59.014 97.069,60.903 97.225,61.059 97.351,61.185 97.351,80.124 97.069,80.406 97.069,82.255 IC1.4@97.069,83.486
"DigiPot Mosi": IC1.5 J1.7 MCU1.83 | length 70.3
  Top Layer w0.2: J1.7@70.358,42.926 70.374,42.942 70.374,49.656 77.256,56.538 MCU1.83@77.256,64.665
  Bottom Layer w0.2: v2(77.256,59.892) 79.166,59.892 79.34,59.719 94.888,59.719 96.52,61.351 96.646,61.477 96.646,79.832 96.52,79.958 96.364,80.114 96.364,81.69 95.885,82.169 95.885,84.427 97.069,85.611 IC1.5@97.069,86.186
"DigiPot nCS": IC1.6 J1.6 MCU1.84 | length 71.2
  Top Layer w0.2: J1.6@72.898,42.926 70.874,44.95 70.874,49.449 77.756,56.331 MCU1.84@77.756,64.665
  Bottom Layer w0.2: v2(77.756,59.192) 79.166,59.192 79.34,59.366 95.034,59.366 96.717,61.049 96.872,61.205 96.999,61.331 96.999,79.978 96.717,80.26 96.717,81.972 96.393,82.296 96.393,84.187 97.719,85.513 IC1.6@97.719,86.186
E1: J7.8 MCU1.51 | length 27.8
  Top Layer w0.2: J7.8@66.358,103.26 69.215,100.403 69.215,90.17 69.215,86.995 69.85,86.36 69.85,82.622 70.358,82.114 70.358,78.994 70.962,78.39 MCU1.51@72.031,78.39
E2: J7.7 MCU1.52 | length 26.1
  Top Layer w0.2: J7.7@66.358,100.72 68.58,98.498 68.58,89.662 68.58,86.614 69.215,85.979 69.215,82.169 69.723,81.661 69.723,78.613 70.446,77.89 MCU1.52@72.031,77.89
E3: J7.6 MCU1.67 | length 38.2
  Top Layer w0.2: J7.6@63.818,103.26 65.024,102.054 65.024,100.403 67.056,98.371 67.056,72.136 68.802,70.39 MCU1.67@72.031,70.39
E3.2: J1.2 MCU1.91 | length 24.9
  Top Layer w0.2: MCU1.91@81.256,64.665 81.256,54.95 78.359,52.053 78.359,47.625 78.683,47.301 J1.2@83.058,42.926
E3.3: J1.3 MCU1.90 | length 24.2
  Top Layer w0.2: J1.3@80.518,42.926 80.264,42.926 77.859,45.331 77.859,52.26 80.756,55.157 MCU1.90@80.756,64.665
E3.4: J1.4 MCU1.89 | length 23.2
  Top Layer w0.2: J1.4@77.978,42.926 77.359,43.545 77.359,52.467 80.256,55.364 MCU1.89@80.256,64.665
E3.5: J1.5 MCU1.85 | length 26.3
  Top Layer w0.2: J1.5@75.438,42.926 71.374,46.99 71.374,49.242 78.256,56.124 MCU1.85@78.256,64.665
E3.9: J1.9 MCU1.81 R13.2 Reg2.8 | length 85.7
  Top Layer w0.2: J1.9@65.278,42.926 69.374,47.022 69.374,50.07 76.256,56.952 v2(76.256,60.592) MCU1.81@76.256,64.665
  Bottom Layer w0.2: v2(76.256,60.592) 79.108,60.592 79.629,60.071 94.742,60.071 96.294,61.623 96.294,79.686 96.012,79.968 96.012,81.471 95.335,82.147 95.335,84.545 96.509,85.72 96.509,86.857 96.901,87.249 98.403,87.249 101.563,90.409 R13.2@105.283,90.409
  Bottom Layer w0.381: R13.2@105.283,90.409 105.298,90.424 Reg2.8@107.36,90.424 Reg2.8@107.345,90.439
E4: J7.5 MCU1.68 | length 36.2
  Top Layer w0.2: J7.5@63.818,100.72 64.672,99.866 66.556,97.982 66.556,71.929 68.595,69.89 MCU1.68@72.031,69.89
E5: J7.4 MCU1.69 | length 40.5
  Top Layer w0.2: J7.4@61.278,103.26 62.484,102.054 62.484,100.33 66.056,96.758 66.056,71.722 68.388,69.39 MCU1.69@72.031,69.39
E6: J7.3 MCU1.70 | length 38.5
  Top Layer w0.2: J7.3@61.278,100.72 65.556,96.442 65.556,71.515 68.181,68.89 MCU1.70@72.031,68.89
FAN: MCU1.31 R98.1 R105.1 | length 71
  Top Layer w0.2: MCU1.31@83.256,80.115 83.256,82.804 83.256,82.865 83.928,83.537 84.61,83.537 85.246,84.173 85.246,86.252 86.751,87.757 104.902,87.757 105.918,86.741 105.918,83.82 108.331,81.407 122.82,81.407 124.861,83.448 124.861,93.013 123.032,94.842 v2(119.761,94.842)
  Bottom Layer w0.2: v2(119.761,94.842) R105.1@120.885,94.842 R98.1@122.536,94.842
GD1A: J?.5 MCU1.7 R157.1 R169.1 | length 26.2
  Top Layer w0.25: MCU1.7@87.481,69.39 90.122,69.39 94.361,65.151 J?.5@99.949,65.151
  Bottom Layer w0.25: R169.1@102.855,56.591 102.855,57.592 103.505,58.242 103.505,64.501 R157.1@102.855,65.151
  Bottom Layer w0.381: J?.5@99.949,65.151 R157.1@102.855,65.151
GD1B: J?.6 MCU1.6 R156.1 R168.1 | length 23.2
  Top Layer w0.25: MCU1.6@87.481,68.89 89.948,68.89 96.227,62.611 J?.6@99.949,62.611
  Bottom Layer w0.381: J?.6@99.949,62.611 102.855,62.611 R156.1@102.855,63.5 R168.1@102.855,59.131
GD2A: J?.3 MCU1.9 R132.1 R143.1 | length 25.7
  Top Layer w0.25: MCU1.9@87.481,70.39 90.501,70.39 92.184,68.707 98.425,68.707 J?.3@99.949,70.231
  Bottom Layer w0.381: J?.3@99.949,70.231 102.855,70.231 ; R132.1@102.855,69.342 102.855,70.231 ; R143.1@102.855,77.419 101.727,76.291 101.727,74.168 102.855,73.04 102.855,70.231
GD2B: J?.4 MCU1.8 R131.1 R144.1 | length 24
  Top Layer w0.25: MCU1.8@87.481,69.89 90.318,69.89 92.517,67.691 J?.4@99.949,67.691
  Bottom Layer w0.25: R131.1@102.855,67.691 103.505,68.341 103.505,74.229 R144.1@102.855,74.879
  Bottom Layer w0.381: J?.4@99.949,67.691 R131.1@102.855,67.691
"GDT1 DRV A": D66.1 D68.2 IC8.7 R166.1 R171.1 | length 10.9
  Bottom Layer w0.381: IC8.7@113.367,56.591 114.478,56.591 114.935,56.134 114.935,52.832 115.316,52.451 116.078,52.451 ; R166.1@117.587,51.562 117.333,51.816 D66.1@116.078,51.816 116.078,52.451 ; R171.1@117.587,53.34 117.333,53.086 D68.2@116.078,53.086 116.078,52.451
"GDT1 DRV B": D67.1 D69.2 IC8.5 R167.1 R172.1 | length 9.1
  Bottom Layer w0.381: IC8.5@113.367,59.131 114.503,59.131 114.935,59.563 114.935,61.087 115.443,61.595 116.078,61.595 ; R167.1@117.587,60.706 117.333,60.96 D67.1@116.078,60.96 116.078,61.595 ; R172.1@117.587,62.484 117.333,62.23 D69.2@116.078,62.23 116.078,61.595